# KiCad board NoU2-panelized.kicad_pcb (continued)
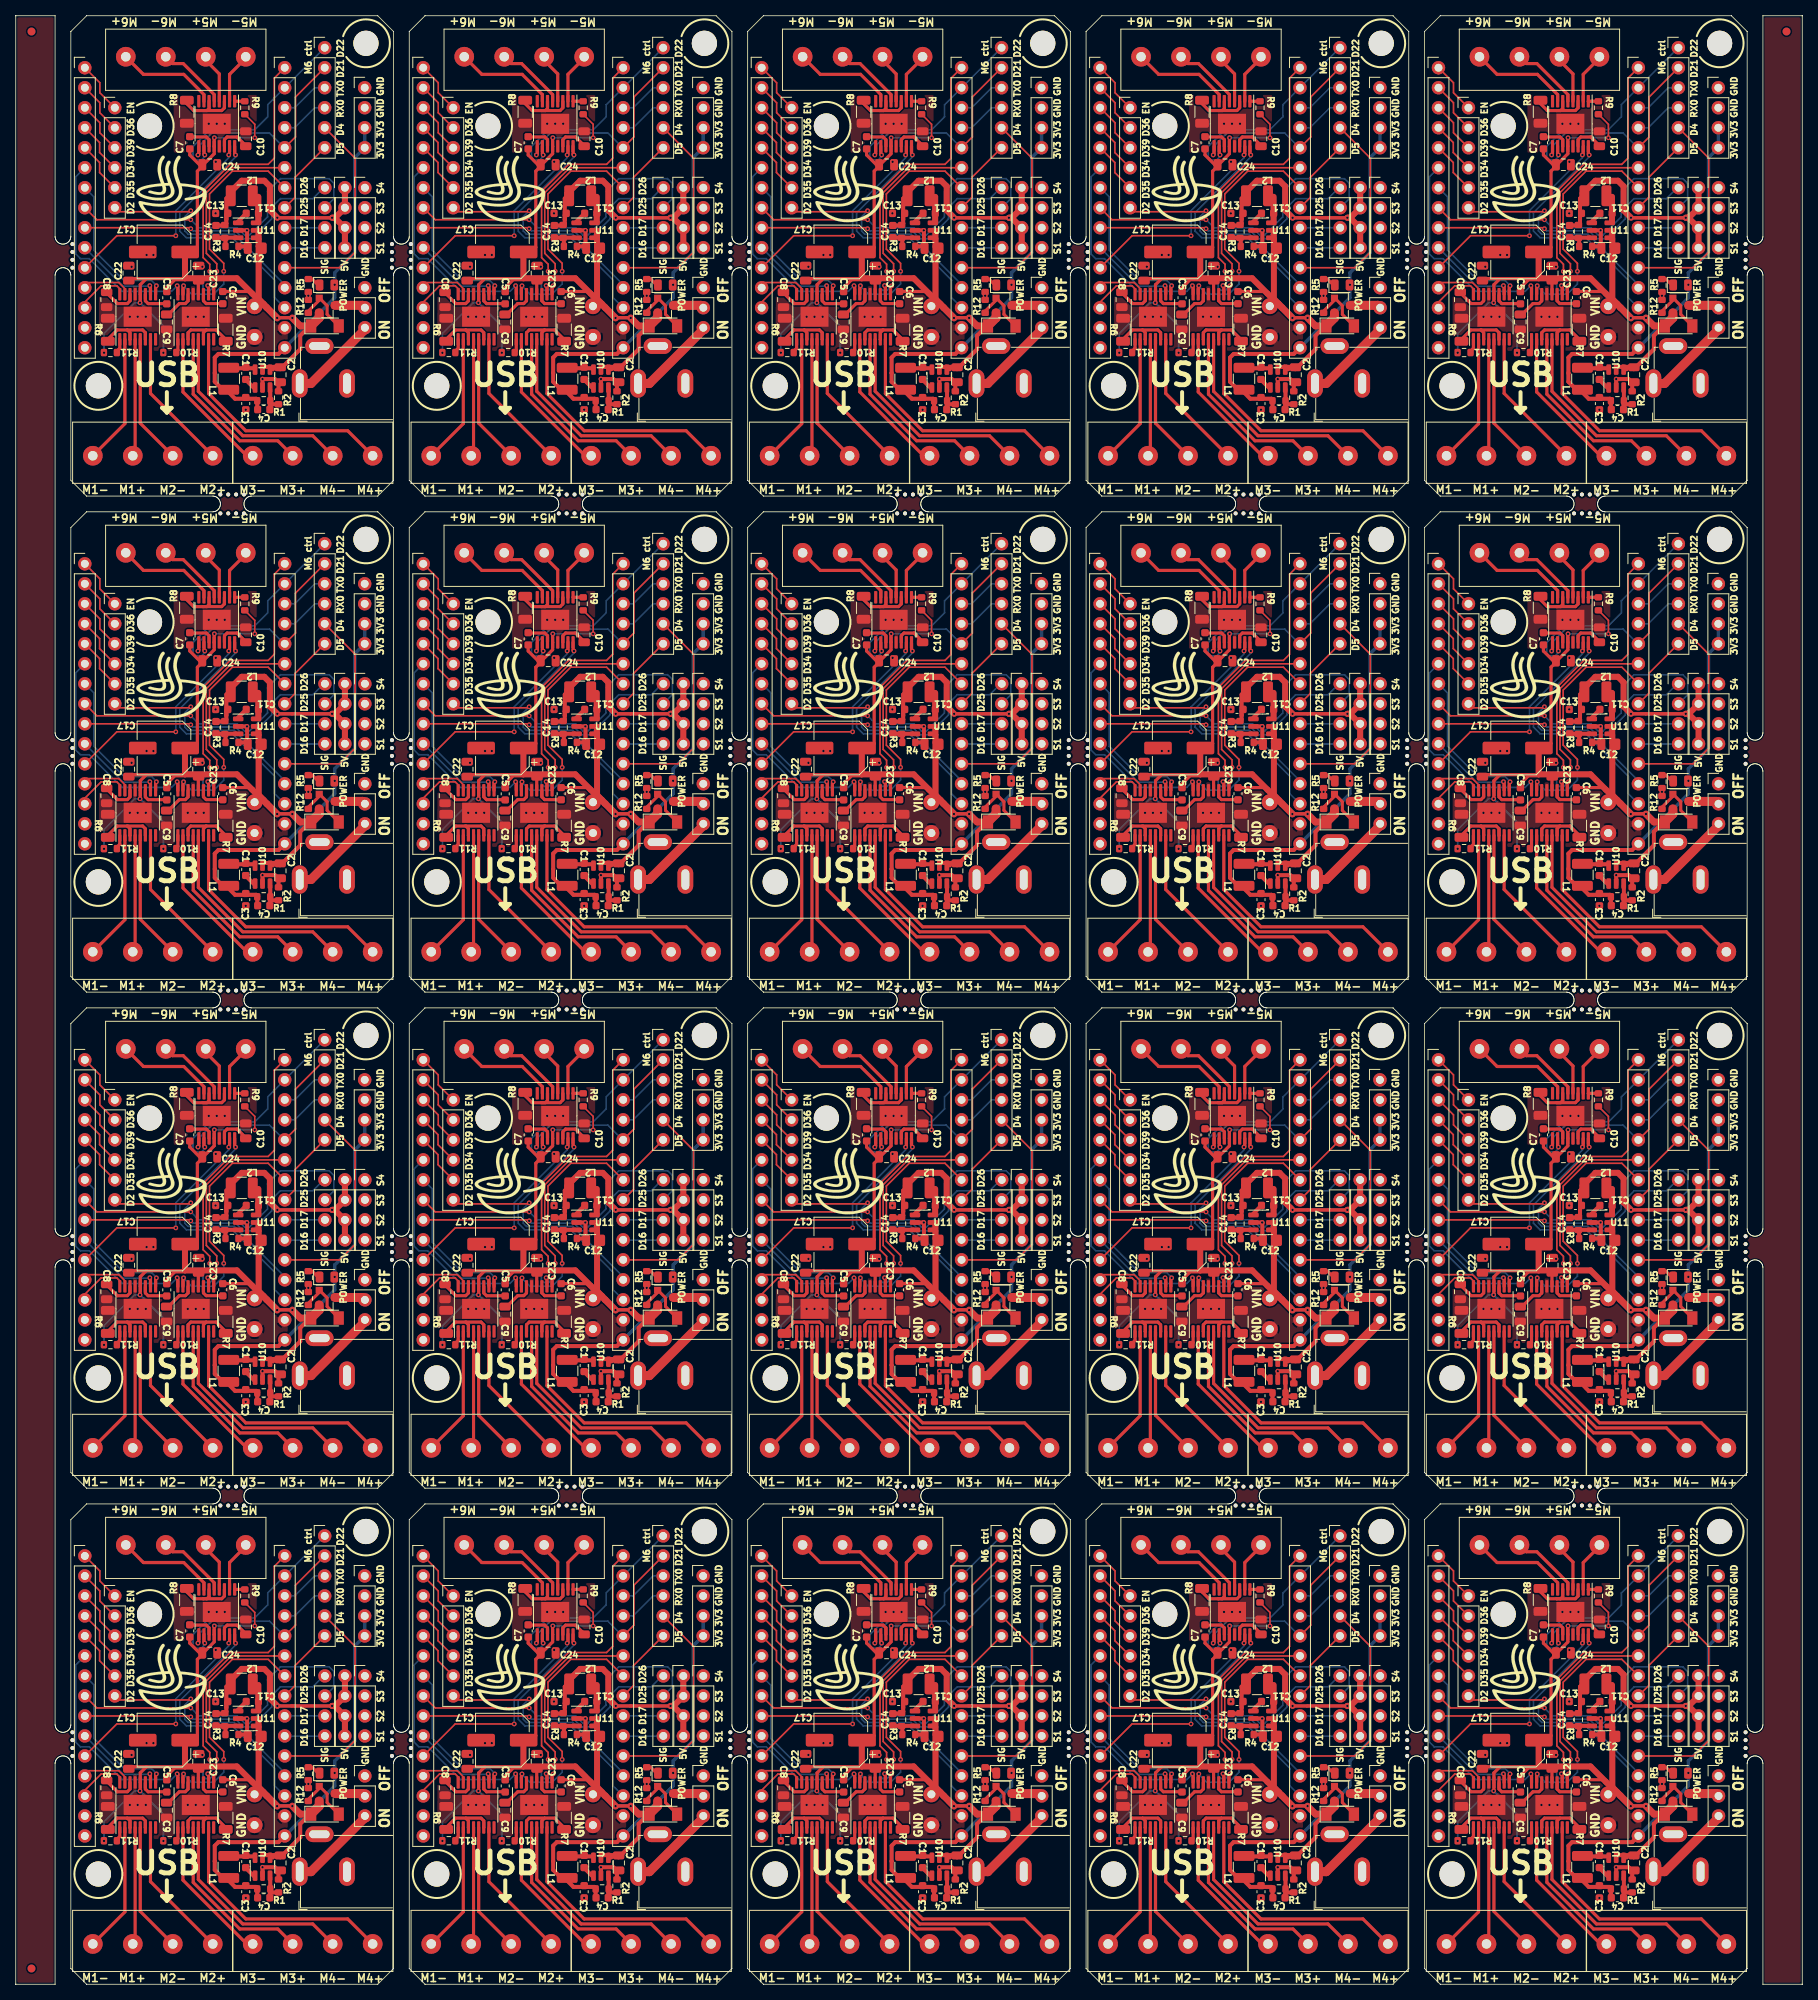
[diagram p0: board, top side]
## Routing (per net, layer and track width the routed paths; a pad name or vN(x,y) marks a point on that pad's centre or on a via; arc(x,y) is an arc through that point) (continued)
Board_4-Net-(C1-Pad1): length 3.3
  Top w0.508: 202.43,205.23 199.15,205.23
Board_4-Net-(C1-Pad2): length 1.7
  Top w0.508: 201.33,203.81 201.33,203.78 ; 201.2,203.8 202.37,202.63
Board_4-Net-(C4-Pad1): length 4.1
  Top w0.508: R2.1 204.46,200.66 204.29,200.84 204.29,201.06 ; 204.34,202.59 R1#4.2 204.29,201.06 ; 204.29,201.06 C4#16.1 ; 204.41,201.06 204.46,201.1
Board_4-Net-(C5-Pad2): length 3.7
  Top w0.399: U1#20.11 188.47,213.79 188.82,213.44 191.16,213.44 C5#10.2
Board_4-Net-(C6-Pad2): length 3.4
  Top w0.399: C6#17.2 198.28,213.45 196.19,213.45 195.85,213.79 U3#16.11
Board_4-Net-(C7-Pad2): length 3.5
  Top w0.399: U2#20.11 196.57,234.27 196.22,234.61 194.15,234.61 C7#12.2
Board_4-Net-(C8-Pad1): length 4.6
  Top w0.399: C8#9.1 183.55,214.81 184.91,213.45 186.18,213.45 186.52,213.79 U1#20.14
Board_4-Net-(C9-Pad1): length 4.3
  Top w0.399: C9#12.1 191.4,212.06 192.78,213.45 193.56,213.45 193.9,213.79 U3#16.14
Board_4-Net-(C10-Pad1): length 4.2
  Top w0.399: 201.22,233.43 201.22,233.51 200.12,234.61 198.86,234.61 198.52,234.27 U2#20.14
Board_4-Net-(C11-Pad1): length 3.5
  Top w0.508: 202.7,226.99 202.65,227.04 ; 202.68,224.75 C11#16.1 202.7,225.04
  Top w0.762: 202.83,225.06 202.83,227 ; 202.83,223.81 202.83,224.86
Board_4-Net-(C11-Pad2): length 1.7
  Top w0.508: C11#16.2 200.08,223.7 200.06,223.7
Board_4-Net-(C14-Pad1): length 3.7
  Top w0.508: 200.06,221.8 200.04,221.82 C14#14.1 ; R4#12.1 198.65,221.69 R3#8.2
Board_4-Net-(D1-Pad1): length 1.6
  Top w0.381: D1#18.1 210.42,215.81 209.67,216.56 209.35,216.56
Board_4-Net-(D2-Pad2): length 7.2
  Top w0.381: D2#11.2 211.56,212.08 211.56,213.17 Q1#18.1 210.56,213.87 209.2,212.51 209.2,212.27
  Top w0.508: Q1#18.1 210.43,214.17
Board_4-Net-(J6-Pad1): length 16.5
  Top w0.399: U1#20.2 185.87,198.2 J6#18.1
Board_4-Net-(J6-Pad2): length 14.9
  Top w0.399: U1#20.4 187.17,194.42 J6#18.2
Board_4-Net-(J6-Pad3): length 16.5
  Top w0.399: U1#20.5 187.82,198.25 J6#18.3
Board_4-Net-(J6-Pad4): length 18.1
  Top w0.399: U1#20.7 189.12,202.03 J6#18.4
Board_4-Net-(J7-Pad1): length 18.9
  Top w0.399: J7#10.1 201.35,194.12 193.25,202.22 U3#16.2
Board_4-Net-(J7-Pad2): length 22.9
  Top w0.399: U3#16.4 194.55,201.94 200.47,196.02 205.29,196.02 J7#10.2
Board_4-Net-(J7-Pad3): length 27.1
  Top w0.399: J7#10.3 209.73,196.66 200.84,196.66 195.2,202.3 U3#16.5
Board_4-Net-(J7-Pad4): length 31
  Top w0.399: U3#16.7 196.5,202.02 201.22,197.3 214.18,197.3 J7#10.4
Board_4-Net-(J8-Pad1): length 6.5
  Top w0.399: J8#2.1 201.22,244.62 199.17,242.56 U2#20.2
Board_4-Net-(J8-Pad2): length 6.4
  Top w0.399: J8#2.2 196.15,244.34 197.87,242.61 U2#20.4
Board_4-Net-(J8-Pad3): length 9
  Top w0.399: J8#2.3 191.93,243.93 193.28,243.93 197.22,239.99 U2#20.5
Board_4-Net-(J8-Pad4): length 12.8
  Top w0.399: 185.99,244.79 188.22,242.56 193.35,242.56 195.92,239.99 U2#20.7
Board_4-Net-(J9-Pad1): length 11.3
  Top w1.143: J9#18.1 209.52,203.3 216.34,210.12 216.34,210.38
Board_4-Net-(Q1-Pad3): length 3.9
  Top w1.143: Q1#18.3 216.06,213.22 U8#10.2
Board_4-Net-(R6-Pad2): length 7.8
  Top w0.399: 186.18,210.1 188.13,210.1 188.47,209.75 U1#20.6 188.47,208.91 ; 186.18,210.1 186.52,209.75 U1#20.3 186.52,208.91 ; 186.18,210.1 184.89,210.1 183.7,208.91 R6#15.2
Board_4-Net-(R7-Pad2): length 7.8
  Top w0.399: 195.84,208.9 U3#16.6 195.85,209.75 196.19,210.1 ; 193.9,208.91 U3#16.3 193.9,209.75 194.24,210.1 196.19,210.1 ; 196.19,210.1 197.47,210.1 198.69,208.89 R7#20.2
Board_4-Net-(R8-Pad2): length 8.5
  Top w0.399: U2#20.3 198.52,238.3 198.17,237.96 195.79,237.96 ; 195.79,237.96 194.61,237.96 193.73,238.84 193.73,239.4 ; 195.79,237.96 196.3,237.96 196.57,238.23 U2#20.6
Board_4-Net-(R9-Pad1): length 1.3
  Top w0.399: U2#20.1 199.82,239.14 R9#19.1
Board_4-Net-(R10-Pad1): length 1.7
  Top w0.399: 192.4,207.33 192.6,207.53 U3#16.1
Board_4-Net-(R11-Pad1): length 1.8
  Top w0.399: 184.78,207.33 185.22,207.77 U1#20.1
Board_4-RX0: length 6.1
  Bottom w0.203: J11#17.4 207.45,235.78 209.99,238.32 J1#14.4
Board_4-TX0: length 6.1
  Bottom w0.203: J1#14.3 209.99,240.86 207.45,238.32 J11#17.3
Board_4-VIN: length 111
  Top w0.203: R9#19.2 202.37,236.22 v1(202.37,234.51)
  Top w0.25: 203.9,212.93 203.71,213.12 J14#17.1
  Top w0.399: C24#5.1 195.82,231.08 197.22,232.48 U2#20.12 197.21,233.43 197.21,234.51 ; C24#5.1 195.7,230.89 195.08,230.26 195.08,220.59 194.49,220 C17#6.1 ; C24#5.1 195.36,231.08 194.11,232.32 C7#12.1 ; 201.01,237.4 R9#19.2 ; 202.04,214.72 201.78,214.98 C6#17.1 ; 187.81,213.55 187.82,213.56 U1#20.12 187.82,215.84 188.6,216.62 193.54,216.62 ; U3#16.12 195.2,216.35 195.21,216.36 ; C5#10.1 191.19,215.46 192.16,216.42 ; 186.65,216.62 188.62,216.62 ; C22#13.1 186.6,216.6 ; 193.49,216.47 192.31,216.47
  Top w0.432: v1(207.14,211.62) 207.11,211.65 205.25,211.65 v1(205.21,211.62)
  Top w0.508: 203.65,205.4 204.27,205.4 ; 205.6,205.11 205.77,205.28 205.78,205.28 208.15,207.65 208.15,209.37 209.38,210.6 D2#11.1 ; 202.86,221.61 202.68,221.8 ; 205.52,205.41 204.61,205.41 ; C12#11.2 202.86,219.95 202.86,219.72 ; 204.53,205.27 204.69,205.11
  Top w0.762: 193.57,216.66 200.1,216.66 202.66,214.1 202.74,214.1 ; 202.85,221.7 202.85,222.65 ; C17#6.1 193.5,219.97 193.5,216.66 ; 203.46,213.37 202.86,213.97 202.86,221.61
  Top w0.864: 202.74,214.1 v1(205.21,211.62) ; v1(207.14,211.62) 208.16,210.6 D2#11.1
  Top w1.143: D2#11.1 210.56,211.63 Q1#18.2
  Bottom w0.203: v1(187.79,213.55) 187.13,213.55 183.22,209.64 v1(183.22,207.2) ; 197.21,234.51 v1(202.37,234.51)
  Bottom w0.25: v1(187.79,213.55) 190.76,210.58 v1(190.76,207.2)
  Bottom w0.432: v1(207.14,211.62) 207.11,211.65 205.25,211.65 v1(205.21,211.62)
  vias: v1(197.24,234.51)
Board_5-3V3: length 53
  Top w0.508: J11#11.15 33.39,144.05 25.75,144.05 25.29,143.59 25.29,141.63 25.29,141.63 25.29,140.52 26.56,139.25 27.2,139.25 ; 27.07,139.37 26.94,139.5 26.94,139.29 27.87,138.36 30.56,138.36 30.81,138.11 ; R1#16.1 30.69,137.04 ; 30.81,137.04 30.86,136.99
  Bottom w0.432: J3.3 J3.4 43.09,168.99 43.09,156.92 40.53,154.36 v1(40.53,152.84) 40.53,151.19 J11#11.15
Board_5-5V: length 40.3
  Top w0.432: v1(40.2,161.35) v1(33.24,161.35)
  Top w0.508: C14#3.2 26.5,160.37 R3#4.1 26.76,160.63 26.76,161.14 ; 26.76,161.14 26.76,163.79 27.11,164.14 ; 26.76,161.14 26.76,161.69 26.98,161.9 26.98,162.1
  Top w0.762: J12#7.1 41.82,162.59 40.58,161.35 v1(40.2,161.35) 40.53,161.35 41.82,160.05 41.82,157.51 ; v1(33.24,161.35) 32.3,162.29 32.3,165.33 31.59,166.05 29.58,166.05 29.57,166.05 28.72,166.05 27.11,164.43 27.11,164.14
  Bottom w0.432: v1(33.24,161.35) v1(40.2,161.35)
Board_5-/Sheet6057E9B8/D16: length 5.1
  Top w0.203: 34.21,157.51 J11#11.10
  Bottom w0.203: 39.28,157.51 34.21,157.51
Board_5-/Sheet6057E9B8/D17: length 5.1
  Top w0.203: 39.25,160.08 39.28,160.05
  Bottom w0.203: J11#11.9 39.25,160.08
Board_5-/Sheet6057E9B8/D34: length 6.7
  Top w0.203: 12.59,167.7 10.66,169.63 10.66,170.9 J10#16.4
Board_5-/Sheet6057E9B8/D35: length 6.7
  Top w0.203: J10#16.5 10.66,168.36 10.66,167.09 12.59,165.16
Board_5-/Sheet6057E9B8/D36: length 6.7
  Top w0.203: 12.59,172.78 10.68,174.68 10.68,175.95 J10#16.2
Board_5-/Sheet6057E9B8/D39: length 6.7
  Top w0.203: J10#16.3 10.68,173.41 10.68,172.14 12.59,170.24
Board_5-/Sheet6057E9B8/EN: length 7.3
  Top w0.203: J10#16.1 10.68,178.49 10.68,177.22 12.59,175.32
  Top w0.399: 8.78,179.76 J10#16.1
Board_5-D2: length 28.7
  Top w0.203: v1(22.24,162.24) 22.11,162.11 13.1,162.11 J4#19.6
  Bottom w0.203: v1(22.24,162.24) 21.48,161.47 21.48,159.67 21.9,159.25 27.77,159.25 34.18,152.84 J11#11.12
Board_5-D4: length 27.2
  Top w0.203: J11#11.11 41.14,155 43.12,156.98 43.12,168.92 J1#18.5
Board_5-D5: length 9.7
  Top w0.203: J1#18.6 35.5,166.48 35.5,163.94 J11#11.8
Board_5-D25: length 41.8
  Top w0.203: J10#16.8 10.3,161.09 v1(22.24,161.09)
  Bottom w0.203: J2#4.2 40.44,163.77 40.44,165.71 39.83,166.31 33.63,166.31 32,164.68 32,161.46 29.68,159.14 29.08,159.14 28.15,160.08 23.26,160.08 v1(22.24,161.09)
Board_5-D26: length 34.6
  Top w0.203: J10#16.9 22.15,160.08 v1(22.24,159.95)
  Bottom w0.203: J2#4.1 39.13,165.16 37.75,163.77 33.63,163.77 32.53,162.67 32.53,161.22 29.99,158.68 28.91,158.68 27.91,159.67 22.52,159.67 v1(22.24,159.95)
Board_5-GND: length 10.3
  Top w0.508: R4#18.2 29.31,157.71 29.4,157.8 29.4,159.72 v1(29.38,159.75) 28.06,159.75 ; R12#17.2 R5#2.1 37.15,151.88 ; R2#11.2 33.39,140.24 C2#13.1 33.33,140.46 32.93,140.86 v1(31.36,140.86) 31.36,139.61 ; 29.32,136.98 29.32,136.98
  vias: v1(14.49,148.77) v1(14.72,155.12) v1(15.5,148.77) v1(16.52,148.77) v1(16.63,156.62) v1(17.49,156.62) v1(21.86,148.77) v1(22.88,148.77) v1(23.71,155.12) v1(23.89,148.77) v1(24.53,173.28) v1(25.41,168.46) v1(25.39,161.9) v1(25.54,173.28) v1(26.56,173.28) v1(29.23,136.96) v1(37.18,151.44)
Board_5-M1A: length 6.9
  Top w0.203: J10#16.13 8.78,150.63 10.85,152.7 12.85,152.7 13.22,152.33 U1#13.16
Board_5-M1B: length 6.8
  Top w0.203: U1#13.15 13.87,152.34 13.1,153.12 8.78,153.12 J10#16.12
Board_5-M2A: length 11.3
  Top w0.399: 17.03,152.66 17.12,152.57 U1#13.10
  Bottom w0.203: 17.03,152.66 13.65,152.66 J10#16.10
  vias: v1(17.03,152.72)
Board_5-M2B: length 19.4
  Top w0.399: 17.87,152.66 17.77,152.56 U1#13.9
  Bottom w0.203: 17.87,152.72 17.87,152.66 v1(17.87,152.71) 17.87,152.76 17.26,153.37 13.78,153.37 9.93,157.22 9.93,164 J10#16.7
Board_5-M3A: length 27.6
  Top w0.399: U3#2.16 20.6,152.57 20.51,152.66
  Bottom w0.203: v1(20.51,152.72) 19.79,152 13.5,152 9.35,156.15 8.23,156.15 7.63,156.75 7.63,166.54 J10#16.6
Board_5-M3B: length 30.9
  Top w0.203: 21.25,152.58 21.33,152.66 ; J11#11.7 32.07,167.26 27.52,167.26 24.62,164.36 24.62,157.36 26.43,155.55 v1(26.43,154.54)
  Top w0.399: U3#2.15 21.25,152.58
  Bottom w0.203: v1(26.43,154.54) 26.43,152.93 25.15,151.65 22.34,151.65 21.33,152.66
  vias: v1(21.33,152.71)
Board_5-M4A: length 25.2
  Top w0.203: J11#11.6 27.39,167.7 24.22,164.53 24.22,156.83 25.54,155.5 v1(25.54,154.54)
  Top w0.399: 24.4,152.66 24.5,152.56 U3#2.10
  Bottom w0.203: 24.4,152.66 24.4,152.67 25.54,153.82 v1(25.54,154.54)
  vias: v1(24.4,152.74)
Board_5-M4B: length 38.7
  Top w0.203: v1(24.65,154.54) 24.65,155.44 23.81,156.28 23.81,164.7 27.24,168.13 32.07,168.13 32.86,168.92 32.86,179.08 J11#11.1
  Top w0.399: 25.26,152.66 25.15,152.55 U3#2.9
  Bottom w0.203: v1(25.29,152.71) 24.71,152.13 24.11,152.13 23.79,152.44 23.79,153.12 24.65,153.98 v1(24.65,154.54)
Board_5-M5A: length 32.5
  Top w0.399: 27.93,169.37 v1(27.93,169.32) 27.82,169.43 U2#7.16
  Bottom w0.203: J11#11.13 34.17,149.92 32.91,151.19 32.91,153.41 27.51,158.81 21.69,158.81 20.84,159.65 20.84,161.98 27.93,169.07 v1(27.93,169.32)
Board_5-M5B: length 27.4
  Top w0.203: J10#16.11 12.84,159.06 v1(20.34,159.06)
  Top w0.399: U2#7.15 27.17,169.47 27.07,169.37
  Bottom w0.203: 27.07,169.37 27.07,168.97 20.34,162.24 v1(20.34,159.06)
  vias: v1(27.07,169.32)
Board_5-M6A: length 27.3
  Top w0.203: 39.25,182.94 J1#18.1
  Top w0.399: 24.02,169.37 23.92,169.47 U2#7.10
  Bottom w0.203: 39.25,182.94 J11#11.2 32.02,175.7 32.02,174.17 30.37,172.52 24.65,172.52 22.52,170.39 22.52,169.02 22.85,168.69 23.59,168.69 24.02,169.12 v1(24.02,169.32)
Board_5-M6B: length 26.9
  Top w0.203: J11#11.5 35.55,171.61 35.55,176.69 J1#18.2
  Top w0.399: 23.15,169.37 23.27,169.49 U2#7.9
  Bottom w0.203: 23.15,169.37 23.27,169.49 23.27,170.46 24.92,172.11 32.24,172.11 34.11,170.24 J11#11.5
  vias: v1(23.15,169.32)
Board_5-Net-(C1-Pad1): length 3.3
  Top w0.508: 30.43,142.23 27.15,142.23
Board_5-Net-(C1-Pad2): length 1.7
  Top w0.508: 29.2,140.8 30.37,139.63 ; 29.33,140.81 29.33,140.78
Board_5-Net-(C4-Pad1): length 4.1
  Top w0.508: C4#12.1 32.29,138.06 ; 32.29,138.06 32.29,137.84 32.46,137.66 R2#11.1 ; 32.29,138.06 R1#16.2 32.34,139.59 ; 32.41,138.06 32.46,138.11
Board_5-Net-(C5-Pad2): length 3.7
  Top w0.399: U1#13.11 16.47,150.79 16.82,150.44 19.16,150.44 C5#20.2
Board_5-Net-(C6-Pad2): length 3.4
  Top w0.399: C6#14.2 26.28,150.45 24.19,150.45 23.85,150.79 U3#2.11
Board_5-Net-(C7-Pad2): length 3.5
  Top w0.399: U2#7.11 24.57,171.27 24.22,171.61 22.15,171.61 C7#19.2
Board_5-Net-(C8-Pad1): length 4.6
  Top w0.399: U1#13.14 14.52,150.79 14.18,150.45 12.91,150.45 11.55,151.81 C8#16.1
Board_5-Net-(C9-Pad1): length 4.3
  Top w0.399: C9#8.1 19.4,149.06 20.78,150.45 21.56,150.45 21.9,150.79 U3#2.14
Board_5-Net-(C10-Pad1): length 4.2
  Top w0.399: U2#7.14 26.52,171.27 26.86,171.61 28.12,171.61 29.23,170.51 C10#4.1
Board_5-Net-(C11-Pad1): length 3.5
  Top w0.508: 30.7,163.99 30.65,164.04 ; 30.7,162.04 C11#20.1 30.68,161.75
  Top w0.762: 30.83,160.81 30.83,161.86 ; 30.83,162.06 30.83,164
Board_5-Net-(C11-Pad2): length 1.7
  Top w0.508: 28.06,160.7 28.08,160.7 C11#20.2
Board_5-Net-(C14-Pad1): length 3.7
  Top w0.508: C14#3.1 28.04,158.82 28.06,158.8 ; R4#18.1 26.65,158.69 R3#4.2
Board_5-Net-(D1-Pad1): length 1.6
  Top w0.381: 37.35,153.56 37.67,153.56 38.42,152.81 D1#17.1
Board_5-Net-(D2-Pad2): length 7.2
  Top w0.381: D2#19.2 39.56,149.08 39.56,150.17 Q1#14.1 38.56,150.87 37.2,149.51 37.2,149.27
  Top w0.508: Q1#14.1 38.43,151.17
Board_5-Net-(J6-Pad1): length 16.5
  Top w0.399: J6#17.1 13.87,135.2 U1#13.2
Board_5-Net-(J6-Pad2): length 14.9
  Top w0.399: J6#17.2 15.17,131.42 U1#13.4
Board_5-Net-(J6-Pad3): length 16.5
  Top w0.399: U1#13.5 15.82,135.25 J6#17.3
Board_5-Net-(J6-Pad4): length 18.1
  Top w0.399: U1#13.7 17.12,139.03 J6#17.4
Board_5-Net-(J7-Pad1): length 18.9
  Top w0.399: U3#2.2 21.25,139.22 29.35,131.12 J7#5.1
Board_5-Net-(J7-Pad2): length 22.9
  Top w0.399: U3#2.4 22.55,138.94 28.47,133.02 33.29,133.02 J7#5.2
Board_5-Net-(J7-Pad3): length 27.1
  Top w0.399: U3#2.5 23.2,139.3 28.84,133.66 37.73,133.66 J7#5.3
Board_5-Net-(J7-Pad4): length 31
  Top w0.399: U3#2.7 24.5,139.02 29.23,134.29 42.18,134.29 J7#5.4
Board_5-Net-(J8-Pad1): length 6.5
  Top w0.399: J8#7.1 29.23,181.62 27.17,179.56 U2#7.2
Board_5-Net-(J8-Pad2): length 6.4
  Top w0.399: J8#7.2 24.15,181.34 25.87,179.61 U2#7.4
Board_5-Net-(J8-Pad3): length 9
  Top w0.399: J8#7.3 19.93,180.93 21.28,180.93 25.22,176.99 U2#7.5
Board_5-Net-(J8-Pad4): length 12.8
  Top w0.399: J8#7.4 16.22,179.56 21.35,179.56 23.92,176.99 U2#7.7
Board_5-Net-(J9-Pad1): length 11.3
  Top w1.143: 44.34,147.38 44.34,147.12 37.52,140.3 J9#14.1
Board_5-Net-(Q1-Pad3): length 3.9
  Top w1.143: Q1#14.3 44.06,150.22 U8#15.2
Board_5-Net-(R6-Pad2): length 7.8
  Top w0.399: R6#18.2 11.7,145.91 12.89,147.1 14.18,147.1 ; 14.18,147.1 16.13,147.1 16.47,146.75 U1#13.6 16.47,145.91 ; 14.18,147.1 14.52,146.75 U1#13.3 14.52,145.91
Board_5-Net-(R7-Pad2): length 7.8
  Top w0.399: 21.9,145.91 U3#2.3 21.9,146.75 22.24,147.1 24.19,147.1 ; 24.19,147.1 23.85,146.75 U3#2.6 23.84,145.9 ; 24.19,147.1 25.47,147.1 26.69,145.89 R7#6.2
Board_5-Net-(R8-Pad2): length 8.5
  Top w0.399: U2#7.3 26.52,175.3 26.17,174.96 23.79,174.96 ; 23.79,174.96 22.61,174.96 21.73,175.83 21.73,176.4 ; 23.79,174.96 24.3,174.96 24.57,175.23 U2#7.6
Board_5-Net-(R9-Pad1): length 1.3
  Top w0.399: R9#6.1 27.82,176.14 U2#7.1
Board_5-Net-(R10-Pad1): length 1.7
  Top w0.399: U3#2.1 20.6,144.53 20.4,144.33
Board_5-Net-(R11-Pad1): length 1.8
  Top w0.399: U1#13.1 13.22,144.77 12.78,144.33
Board_5-RX0: length 6.1
  Bottom w0.203: J1#18.4 37.99,175.32 35.45,172.78 J11#11.4
Board_5-TX0: length 6.1
  Bottom w0.203: J1#18.3 37.99,177.86 35.45,175.32 J11#11.3
Board_5-VIN: length 111
  Top w0.203: R9#6.2 30.37,173.22 v1(30.37,171.51)
  Top w0.25: J14#15.1 31.71,150.12 31.9,149.93
  Top w0.399: C6#14.1 29.78,151.98 30.04,151.72 ; 20.16,153.42 19.19,152.46 19.19,151.96 ; 15.81,150.55 15.82,150.56 U1#13.12 15.82,152.84 16.6,153.62 21.54,153.62 ; 21.49,153.47 20.31,153.47 ; U3#2.12 23.2,153.36 23.21,153.36 ; 29.01,174.4 R9#6.2 ; C22#5.1 14.6,153.6 ; 14.65,153.62 16.62,153.62 ; 23.7,168.08 23.36,168.08 22.11,169.32 C7#19.1 ; 23.7,168.08 23.82,168.08 25.22,169.48 U2#7.12 25.21,170.43 25.21,171.51 ; 23.7,168.08 23.7,167.89 23.08,167.26 23.08,157.59 22.49,157 C17#12.1
  Top w0.432: v1(35.14,148.62) 35.11,148.65 33.25,148.65 v1(33.21,148.62)
  Top w0.508: 30.86,158.61 30.68,158.8 ; 32.53,142.27 32.69,142.11 ; C12#3.2 30.86,156.95 30.86,156.72 ; 33.6,142.11 33.77,142.28 33.78,142.28 36.15,144.65 36.15,146.37 37.38,147.6 D2#19.1 ; 31.65,142.4 32.27,142.4 ; 33.52,142.41 32.61,142.41
  Top w0.762: 30.85,158.7 30.85,159.65 ; C17#12.1 21.5,156.97 21.5,153.66 ; 30.86,158.61 30.86,150.97 31.46,150.37 ; 30.74,151.1 30.66,151.1 28.1,153.66 21.57,153.66
  Top w0.864: v1(35.14,148.62) 36.16,147.6 D2#19.1 ; 30.74,151.1 v1(33.21,148.62)
  Top w1.143: Q1#14.2 38.56,148.63 D2#19.1
  Bottom w0.203: v1(15.79,150.55) 15.13,150.55 11.22,146.64 v1(11.22,144.2) ; 25.21,171.51 v1(30.37,171.51)
  Bottom w0.25: v1(18.76,144.2) 18.76,147.58 v1(15.79,150.55)
  Bottom w0.432: v1(35.14,148.62) 35.11,148.65 33.25,148.65 v1(33.21,148.62)
  vias: v1(25.24,171.51)
Board_6-3V3: length 53
  Top w0.508: R1#20.1 73.69,137.04 ; 73.81,138.11 73.56,138.36 70.87,138.36 69.94,139.29 69.94,139.5 70.07,139.37 ; J11#13.15 76.39,144.05 68.75,144.05 68.29,143.59 68.29,141.63 68.29,141.63 68.29,140.52 69.56,139.25 70.2,139.25 ; 73.81,137.04 73.86,136.99
  Bottom w0.432: J3#14.3 J3#14.4 86.09,168.99 86.09,156.92 83.53,154.36 v1(83.53,152.84) 83.53,151.19 J11#13.15
Board_6-5V: length 40.3
  Top w0.432: v1(76.24,161.35) v1(83.2,161.35)
  Top w0.508: 69.98,162.1 69.98,161.9 69.76,161.69 69.76,161.14 ; 69.76,161.14 69.76,160.63 R3#13.1 69.5,160.37 C14#4.2 ; 69.76,161.14 69.76,163.79 70.11,164.14
  Top w0.762: v1(76.24,161.35) 75.3,162.29 75.3,165.33 74.59,166.05 72.58,166.05 72.57,166.05 71.72,166.05 70.11,164.43 70.11,164.14 ; J12#20.1 84.82,162.59 83.58,161.35 v1(83.2,161.35) 83.53,161.35 84.82,160.05 84.82,157.51
  Bottom w0.432: v1(76.24,161.35) v1(83.2,161.35)
Board_6-/Sheet6057E9B8/D16: length 5.1
  Top w0.203: 77.21,157.51 J11#13.10
  Bottom w0.203: 82.28,157.51 77.21,157.51
Board_6-/Sheet6057E9B8/D17: length 5.1
  Top w0.203: 82.25,160.08 82.28,160.05
  Bottom w0.203: J11#13.9 82.25,160.08
Board_6-/Sheet6057E9B8/D34: length 6.7
  Top w0.203: 55.59,167.7 53.66,169.63 53.66,170.9 J10.4
Board_6-/Sheet6057E9B8/D35: length 6.7
  Top w0.203: 55.59,165.16 53.66,167.09 53.66,168.36 J10.5
Board_6-/Sheet6057E9B8/D36: length 6.7
  Top w0.203: J10.2 53.68,175.95 53.68,174.68 55.59,172.78
Board_6-/Sheet6057E9B8/D39: length 6.7
  Top w0.203: J10.3 53.68,173.41 53.68,172.14 55.59,170.24
Board_6-/Sheet6057E9B8/EN: length 7.3
  Top w0.203: 55.59,175.32 53.68,177.22 53.68,178.49 J10.1
  Top w0.399: 51.78,179.76 J10.1
Board_6-D2: length 28.7
  Top w0.203: J4#6.6 56.1,162.11 65.11,162.11 v1(65.24,162.24)
  Bottom w0.203: v1(65.24,162.24) 64.48,161.47 64.48,159.67 64.9,159.25 70.77,159.25 77.18,152.84 J11#13.12
Board_6-D4: length 27.2
  Top w0.203: J11#13.11 84.14,155 86.12,156.98 86.12,168.92 J1#2.5
Board_6-D5: length 9.7
  Top w0.203: J11#13.8 78.5,163.94 78.5,166.48 J1#2.6
Board_6-D25: length 41.8
  Top w0.203: J10.8 53.3,161.09 v1(65.24,161.09)
  Bottom w0.203: J2#18.2 83.44,163.77 83.44,165.71 82.83,166.31 76.63,166.31 75,164.68 75,161.46 72.68,159.14 72.08,159.14 71.15,160.08 66.26,160.08 v1(65.24,161.09)
Board_6-D26: length 34.6
  Top w0.203: v1(65.24,159.95) 65.15,160.08 J10.9
  Bottom w0.203: J2#18.1 82.13,165.16 80.75,163.77 76.63,163.77 75.53,162.67 75.53,161.22 72.99,158.68 71.91,158.68 70.91,159.67 65.52,159.67 v1(65.24,159.95)
Board_6-GND: length 10.3
  Top w0.508: R2#3.2 76.39,140.24 C2#8.1 76.33,140.46 75.93,140.86 v1(74.36,140.86) 74.36,139.61 ; R12#5.2 R5#11.1 80.15,151.88 ; R4#14.2 72.31,157.71 72.4,157.8 72.4,159.72 v1(72.38,159.75) 71.06,159.75 ; 72.32,136.98 72.32,136.98
  vias: v1(57.49,148.77) v1(57.72,155.12) v1(58.5,148.77) v1(59.53,148.77) v1(59.63,156.62) v1(60.49,156.62) v1(64.86,148.77) v1(65.88,148.77) v1(66.71,155.12) v1(66.89,148.77) v1(67.53,173.28) v1(68.42,168.46) v1(68.39,161.9) v1(68.54,173.28) v1(69.56,173.28) v1(72.22,136.96) v1(80.18,151.44)
Board_6-M1A: length 6.9
  Top w0.203: J10.13 51.78,150.63 53.85,152.7 55.85,152.7 56.22,152.33 U1#11.16
Board_6-M1B: length 6.8
  Top w0.203: J10.12 51.78,153.12 56.1,153.12 56.87,152.34 U1#11.15
Board_6-M2A: length 11.3
  Top w0.399: U1#11.10 60.12,152.57 60.03,152.66
  Bottom w0.203: J10.10 56.65,152.66 60.03,152.66
  vias: v1(60.03,152.72)
Board_6-M2B: length 19.4
  Top w0.399: 60.87,152.66 60.77,152.56 U1#11.9
  Bottom w0.203: 60.87,152.72 60.87,152.66 v1(60.87,152.71) 60.87,152.76 60.26,153.37 56.78,153.37 52.93,157.22 52.93,164 J10.7
Board_6-M3A: length 27.6
  Top w0.399: 63.51,152.66 63.6,152.57 U3#13.16
  Bottom w0.203: v1(63.51,152.72) 62.79,152 56.5,152 52.35,156.15 51.23,156.15 50.63,156.75 50.63,166.54 J10.6
Board_6-M3B: length 30.9
  Top w0.203: v1(69.43,154.54) 69.43,155.55 67.62,157.36 67.62,164.36 70.52,167.26 75.07,167.26 J11#13.7 ; 64.25,152.58 64.33,152.66
  Top w0.399: U3#13.15 64.25,152.58
  Bottom w0.203: v1(69.43,154.54) 69.43,152.93 68.15,151.65 65.34,151.65 64.33,152.66
  vias: v1(64.33,152.71)
Board_6-M4A: length 25.2
  Top w0.203: J11#13.6 70.39,167.7 67.22,164.53 67.22,156.83 68.54,155.5 v1(68.54,154.54)
  Top w0.399: U3#13.10 67.5,152.56 67.4,152.66
  Bottom w0.203: 67.4,152.66 67.4,152.67 68.54,153.82 v1(68.54,154.54)
  vias: v1(67.4,152.74)
Board_6-M4B: length 38.7
  Top w0.203: v1(67.65,154.54) 67.65,155.44 66.81,156.28 66.81,164.7 70.24,168.13 75.07,168.13 75.86,168.92 75.86,179.08 J11#13.1
  Top w0.399: U3#13.9 68.15,152.55 68.26,152.66
  Bottom w0.203: v1(67.65,154.54) 67.65,153.98 66.79,153.12 66.79,152.44 67.11,152.13 67.71,152.13 v1(68.29,152.71)
Board_6-M5A: length 32.5
  Top w0.399: 70.93,169.37 v1(70.93,169.32) 70.82,169.43 U2#10.16
  Bottom w0.203: J11#13.13 77.17,149.92 75.91,151.19 75.91,153.41 70.51,158.81 64.69,158.81 63.84,159.65 63.84,161.98 70.93,169.07 v1(70.93,169.32)
Board_6-M5B: length 27.4
  Top w0.203: J10.11 55.84,159.06 v1(63.33,159.06)
  Top w0.399: 70.07,169.37 70.17,169.47 U2#10.15
  Bottom w0.203: v1(63.33,159.06) 63.33,162.24 70.07,168.97 70.07,169.37
  vias: v1(70.07,169.32)
Board_6-M6A: length 27.3
  Top w0.203: 82.25,182.94 J1#2.1
  Top w0.399: 67.02,169.37 66.92,169.47 U2#10.10
  Bottom w0.203: v1(67.02,169.32) 67.02,169.12 66.59,168.69 65.85,168.69 65.52,169.02 65.52,170.39 67.65,172.52 73.37,172.52 75.02,174.17 75.02,175.7 J11#13.2 82.25,182.94
Board_6-M6B: length 26.9
  Top w0.203: J11#13.5 78.55,171.61 78.55,176.69 J1#2.2
  Top w0.399: U2#10.9 66.27,169.49 66.15,169.37
  Bottom w0.203: 66.15,169.37 66.27,169.49 66.27,170.46 67.92,172.11 75.24,172.11 77.11,170.24 J11#13.5
  vias: v1(66.15,169.32)
Board_6-Net-(C1-Pad1): length 3.3
  Top w0.508: 73.43,142.23 70.15,142.23
Board_6-Net-(C1-Pad2): length 1.7
  Top w0.508: 72.33,140.81 72.33,140.78 ; 72.2,140.8 73.37,139.63
Board_6-Net-(C4-Pad1): length 4.1
  Top w0.508: C4#20.1 75.29,138.06 ; 75.29,138.06 R1#20.2 75.34,139.59 ; 75.29,138.06 75.29,137.84 75.46,137.66 R2#3.1 ; 75.41,138.06 75.46,138.11
Board_6-Net-(C5-Pad2): length 3.7
  Top w0.399: C5#12.2 62.16,150.44 59.82,150.44 59.47,150.79 U1#11.11
Board_6-Net-(C6-Pad2): length 3.4
  Top w0.399: C6#10.2 69.28,150.45 67.19,150.45 66.85,150.79 U3#13.11
Board_6-Net-(C7-Pad2): length 3.5
  Top w0.399: C7#11.2 65.15,171.61 67.22,171.61 67.57,171.27 U2#10.11
Board_6-Net-(C8-Pad1): length 4.6
  Top w0.399: C8#8.1 54.55,151.81 55.91,150.45 57.18,150.45 57.52,150.79 U1#11.14
Board_6-Net-(C9-Pad1): length 4.3
  Top w0.399: C9#7.1 62.4,149.06 63.78,150.45 64.56,150.45 64.9,150.79 U3#13.14
Board_6-Net-(C10-Pad1): length 4.2
  Top w0.399: U2#10.14 69.52,171.27 69.86,171.61 71.12,171.61 72.22,170.51 C10#20.1
Board_6-Net-(C11-Pad1): length 3.5
  Top w0.508: 73.7,162.04 C11#4.1 73.68,161.75 ; 73.7,163.99 73.65,164.04
  Top w0.762: 73.83,162.06 73.83,164 ; 73.83,160.81 73.83,161.86
Board_6-Net-(C11-Pad2): length 1.7
  Top w0.508: C11#4.2 71.08,160.7 71.06,160.7
Board_6-Net-(C14-Pad1): length 3.7
  Top w0.508: C14#4.1 71.04,158.82 71.06,158.8 ; R3#13.2 69.65,158.69 R4#14.1
Board_6-Net-(D1-Pad1): length 1.6
  Top w0.381: D1#15.1 81.42,152.81 80.67,153.56 80.35,153.56
Board_6-Net-(D2-Pad2): length 7.2
  Top w0.381: D2#10.2 82.56,149.08 82.56,150.17 Q1#13.1 81.56,150.87 80.2,149.51 80.2,149.27
  Top w0.508: Q1#13.1 81.43,151.17
Board_6-Net-(J6-Pad1): length 16.5
  Top w0.399: U1#11.2 56.87,135.2 J6#6.1
Board_6-Net-(J6-Pad2): length 14.9
  Top w0.399: J6#6.2 58.17,131.42 U1#11.4
Board_6-Net-(J6-Pad3): length 16.5
  Top w0.399: U1#11.5 58.82,135.25 J6#6.3
Board_6-Net-(J6-Pad4): length 18.1
  Top w0.399: J6#6.4 60.12,139.03 U1#11.7
Board_6-Net-(J7-Pad1): length 18.9
  Top w0.399: J7#19.1 72.35,131.12 64.25,139.22 U3#13.2
Board_6-Net-(J7-Pad2): length 22.9
  Top w0.399: U3#13.4 65.55,138.94 71.47,133.02 76.29,133.02 J7#19.2
Board_6-Net-(J7-Pad3): length 27.1
  Top w0.399: J7#19.3 80.73,133.66 71.84,133.66 66.2,139.3 U3#13.5
Board_6-Net-(J7-Pad4): length 31
  Top w0.399: U3#13.7 67.5,139.02 72.22,134.29 85.18,134.29 J7#19.4
Board_6-Net-(J8-Pad1): length 6.5
  Top w0.399: J8#18.1 72.22,181.62 70.17,179.56 U2#10.2
Board_6-Net-(J8-Pad2): length 6.4
  Top w0.399: J8#18.2 67.14,181.34 68.87,179.61 U2#10.4
Board_6-Net-(J8-Pad3): length 9
  Top w0.399: U2#10.5 68.22,176.99 64.28,180.93 62.93,180.93 J8#18.3
Board_6-Net-(J8-Pad4): length 12.8
  Top w0.399: J8#18.4 59.22,179.56 64.35,179.56 66.92,176.99 U2#10.7
Board_6-Net-(J9-Pad1): length 11.3
  Top w1.143: 87.34,147.38 87.34,147.12 80.52,140.3 J9#10.1
Board_6-Net-(Q1-Pad3): length 3.9
  Top w1.143: Q1#13.3 87.06,150.22 U8#8.2